# Altium PCB 测试板1.PcbDoc
Units mm, origin at the board's own origin, x right, y up, seen from the top; angles counter-clockwise.
Board outline 60 x 100 mm, 2 copper layers (Top Layer, Bottom Layer); 47 components, 129 nets, 347 pads, 90 vias.
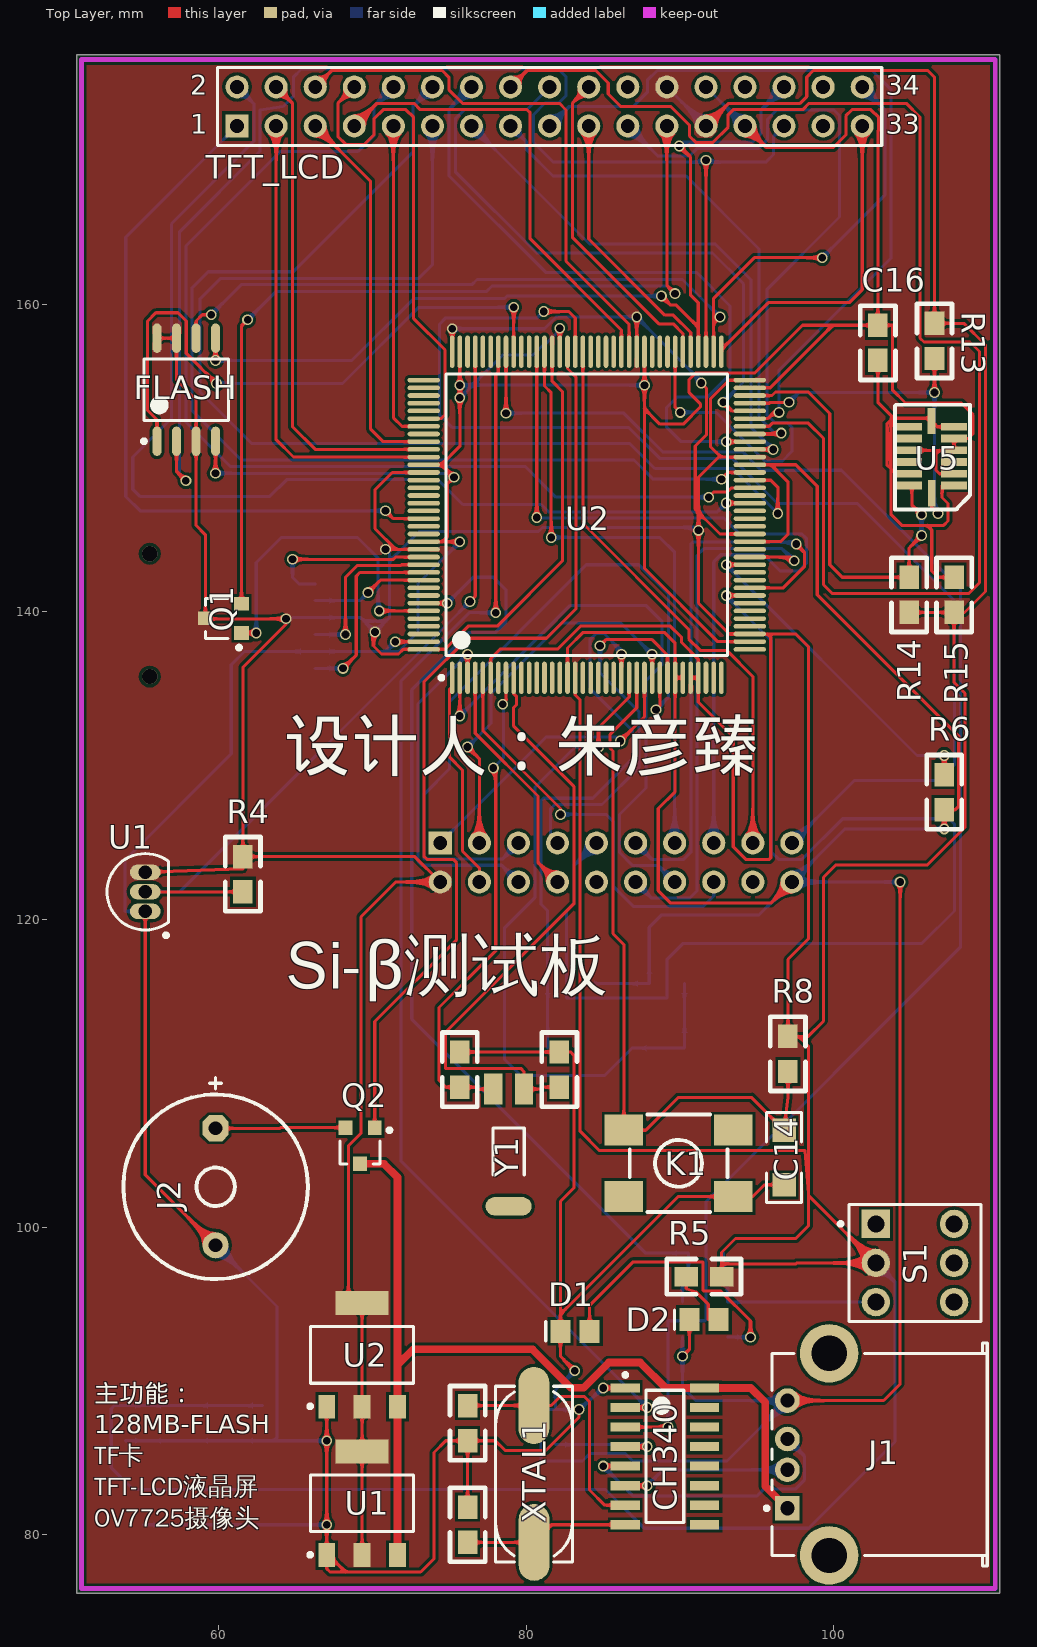
[diagram p0: Top Layer view]
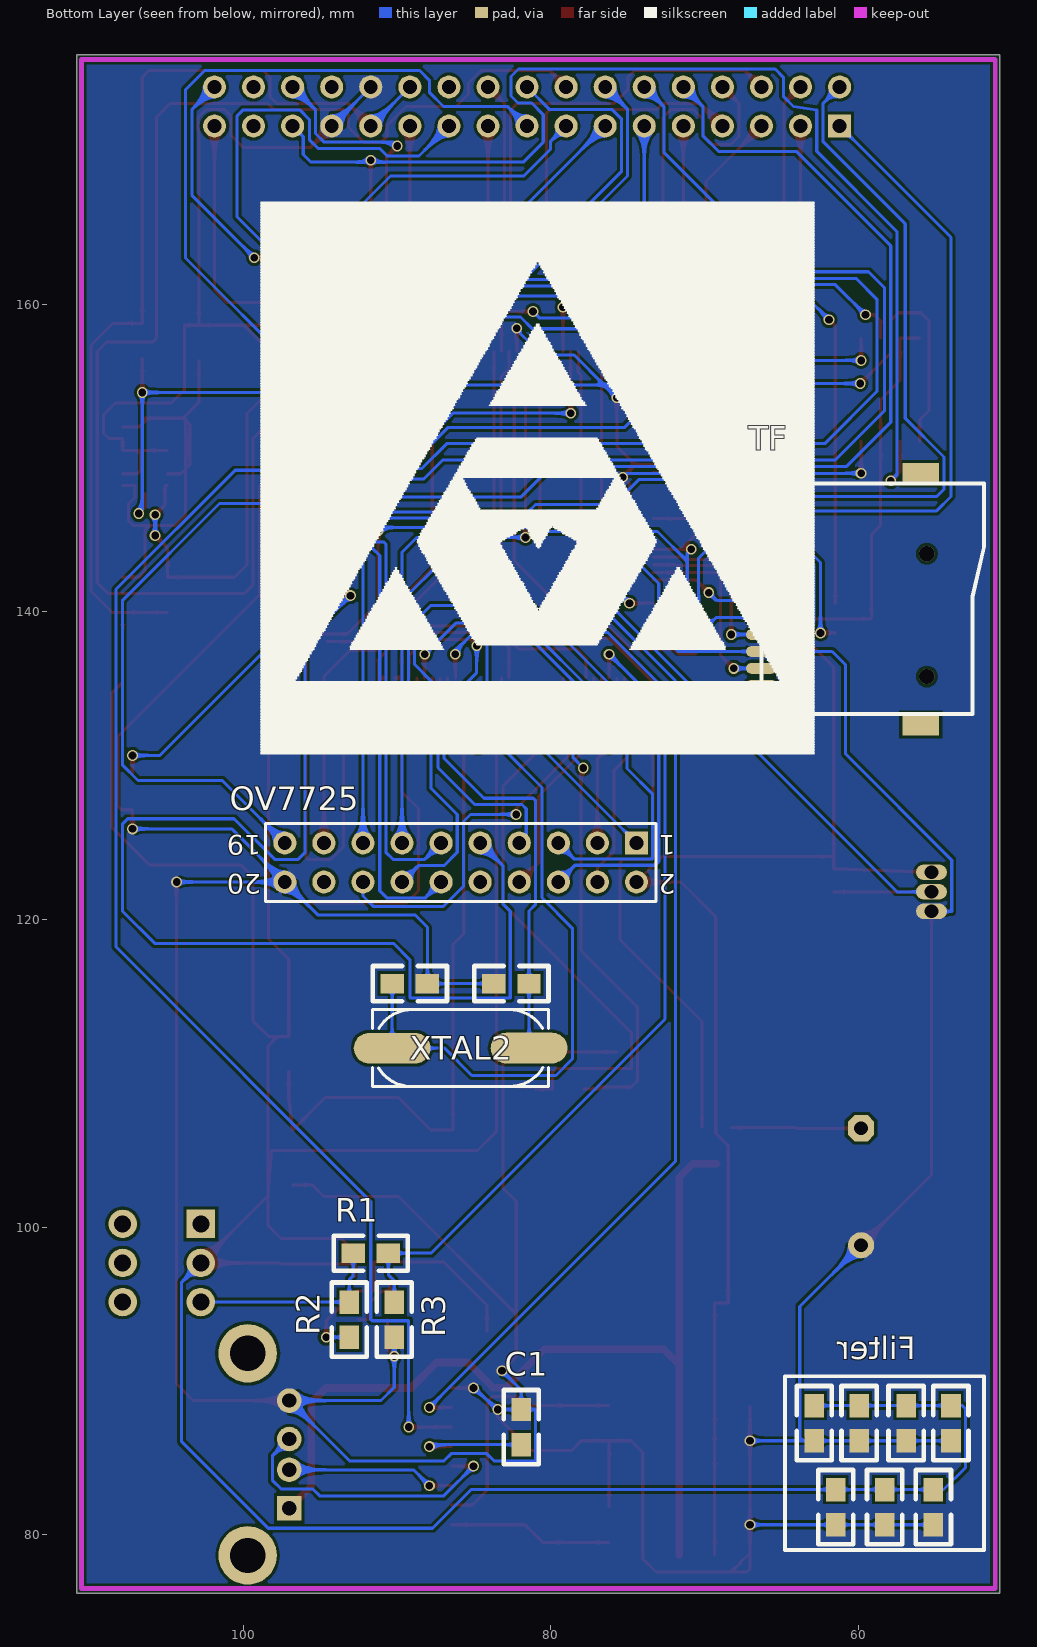
[diagram p1: Bottom Layer view, seen from below]

## Layer stack, top to bottom
Top Solder: solder mask 0.0102, Solder Resist, Dk 3.5
Top Layer: signal copper 0.0356
Dielectric 1: dielectric 0.32, FR-4, Dk 4.8
Bottom Layer: signal copper 0.0356
Bottom Solder: solder mask 0.0102, Solder Resist, Dk 3.5

## Board outline
50.8,76.2 110.8,76.2 110.8,176.2 50.8,176.2

## Design rules (kind name [scope] priority, off if disabled: settings)
Clearance [All] p1: gap=0.2
PolygonConnect [All] p1: connectstyle=Direct reliefconductorwidth=0.254 reliefentries=4 polygonreliefangle="45 Angle" airgapwidth=0.254
RoutingVias [All] p1: holewidth=0.5 width=0.7 viastyle="Through Hole" minholewidth=0.3 minwidth=0.5 maxholewidth=1.27 maxwidth=1.27
SolderMaskExpansion [All] p1: expansion=0.102
Width [All] p1: maxlimit=1.2 minlimit=0.2 preferedwidth=0.2
30 further rules are at their usual default settings.

## Classes and differential pairs
net class "NO POWER": ANALOG0 ANALOG1 ANALOG2 ANALOG3 ANALOG4 ANALOG5 ANALOG6 ANALOG7 ANALOG8 BEEP_OE BOOT0 CAMERA_D0 CAMERA_D1 CAMERA_D2 CAMERA_D3 CAMERA_D4 CAMERA_D5 CAMERA_D6 CAMERA_D7 CAMERA_OE CAMERA_RCLK CAMERA_RRST CAMERA_SCL CAMERA_SDA CAMERA_VSYNC CAMERA_WEN CAMERA_WRST DAC1 DS18B20_DATA FLASH_CS FSMC_A0 FSMC_A1 FSMC_A2 FSMC_A3 FSMC_A4 FSMC_A5 FSMC_A6 FSMC_A7 FSMC_A8 FSMC_A9 FSMC_A10 FSMC_A11 FSMC_A12 FSMC_A13 FSMC_A14 FSMC_A15 FSMC_A16 FSMC_A17 FSMC_A18 FSMC_CLK FSMC_D0 FSMC_D1 FSMC_D2 FSMC_D3 FSMC_D4 FSMC_D5 FSMC_D6 FSMC_D7 FSMC_D8 FSMC_D9 FSMC_D10 FSMC_D11 FSMC_D12 FSMC_D13 FSMC_D14 FSMC_D15 FSMC_NBL0 FSMC_NBL1 FSMC_NCE4 FSMC_NE4 FSMC_NOE FSMC_NWE GPIO_OUT_0 GPIO_OUT_1 GPIO_OUT_2 GPIO_OUT_3 GPIO_OUT_4 GPIO_OUT_5 GPIO_OUT_6 GPIO_OUT_7 GPIO_OUT_8 GPIO_OUT_9 GPIO_OUT_10 IIC1_SCL IIC1_SDA IIC2_SCL IIC2_SDA LCD_BK LCD_LED NetC1_1 NetC16_2 NetCH340_5 NetCH340_6 NetD1_1 NetD2_1 NetJ2_1 NetR1_1 NetR6_2 NRST OSC32_IN OSC32_OUT OSC_IN OSC_OUT PWM1 PWM2 SPI1_CSK SPI1_MISO SPI1_MOSI SPI2_MISO SPI2_MOSI SPI2_SCK TF_CS TF_MISO TF_MOSI TF_SCK TOUCH_CS USART1_RXD USART1_TXD USART2_RXD USART2_TXD USART3_RXD USART3_TXD USBDM USBDP VCC XI XO
component class 测试板1: C1 C14 C16 CH340 D1 D2 FLASH J1 J2 K1 OV7725 Q1 Q2 R1 R2 R3 R4 R5 R6 R8 R13 R14 R15 S1 TF TFT_LCD U1 U2 U5 XTAL1 XTAL2 Y1

## Components (designator, comment, footprint, x,y, rotation, side; value= is the part's Value field where it differs from the comment)
C1 "Cap" 0805 81.915,85.852 r90 bottom
C2 "CAP" 0805 76.2,86.106 r90 top
C3 "CAP" 0805 76.2,81.788 r270 top
C4 "Cap" 0805 53.975,86.106 r90 bottom
C5 "Cap" 0805 56.896,86.106 r90 bottom
C6 "Cap" 0805 59.944,86.106 r90 bottom
C7 "Cap" 0805 62.865,86.106 r90 bottom
C8 "Cap" 0805 55.118,80.645 r90 bottom
C9 "Cap" 0805 58.293,80.645 r90 bottom
C10 "Cap" 0805 61.468,80.645 r90 bottom
C11 "CAP" 0805 75.692,111.379 r270 top
C12 "CAP" 0805 82.169,111.379 r270 top
C13 "CAP" 0805 83.693,115.824 r180 bottom
C14 "Cap" 1206 96.774,104.521 r90 top
C15 "CAP" 0805 88.011,115.824 r0 bottom
C16 "Cap" 0805 102.87,158.623 r270 top
CH340 "Component_1" SOIC127P600X170-16N 89.027,85.09 r0 top
D1 "LED0" LED-0805 83.185,93.218 r180 top
D2 "LED0" LED-0805 91.567,93.98 r180 top
FLASH "W25Q64" 8S2_L 57.912,154.432 r90 top
J1 "USB" USB_A1 109.982,85.217 r0 top
J2 "BEEP-S" BEEP-S 59.817,102.616 r270 top
K1 "button" SW_PB4_A1 89.916,104.14 r180 top
OV7725 "OV7725摄像头" HDR2X10 74.422,124.968 r0 bottom
Q1 "NPN" SOT23-3 60.325,139.573 r90 top
Q2 "NPN" SOT23-3 69.215,105.283 r180 top
R1 "Res2" 0805 92.837,98.298 r180 bottom
R2 "Res2" 0805 90.17,92.837 r90 bottom
R3 "Res2" 0805 93.091,92.837 r90 bottom
R4 "Res2" 0805 61.595,124.079 r270 top
R5 "Res2" 0805 92.71,96.774 r180 top
R6 "Res2" 0805 107.188,127.127 r90 top
R8 "RES" 0805 97.028,110.109 r90 top
R13 "Res2" 0805 106.553,158.75 r270 top
R14 "Res2" 0805 104.902,139.954 r90 top
R15 "Res2" 0805 107.823,142.24 r270 top
S1 "单刀开关" SWITCH_B1 105.283,97.663 r0 top
TF "TF CARD" TFP09-2-12B 66.04,140.716 r90 bottom
TFT_LCD "Component_1" HDR2X17 61.214,171.577 r0 top
U1 "DS18B20" TO-92A 55.245,121.793 r0 top
U1 "ASM1117" SOT223 69.342,82.042 r0 top (schematic designator U3)
U2 "STM32F103ZET6" TQFP-144 83.947,146.304 r90 top
U2 "ASM1117" SOT223 69.342,91.694 r0 top (schematic designator U4)
U5 "ADXL345" PCBComponent_1 106.553,152.908 r180 top
XTAL1 "CRYSTAL" X-SM49 80.518,83.947 r270 top
XTAL2 "CRYSTAL" X-SM49 85.852,111.633 r0 bottom
Y1 "32K晶振" X-TC15 78.867,108.966 r0 top

## Footprints (in the part's own frame and the unit in brackets; to place one, negate y for a bottom-side part, rotate by r counter-clockwise, add the part's x,y. Pads: shape width x height; smd on the part's side, far side on the other; paste and mask are expansions set on the pad)
8S2_L [mm] "8-Pin Small Outline Package 1.27 mm Pitch, IPC High Density"
  oval 1.9x0.6 smd: 1(-3.35,1.905) 2(-3.35,0.635) 3(-3.35,-0.635) 4(-3.35,-1.905) 5(3.35,-1.905) 6(3.35,-0.635) 7(3.35,0.635) 8(3.35,1.905)
  silkscreen extent -3.47,-2.75 2,2.88, body extent -2.73,-2.75 2.73,2.75, height 2.03
0805 [mil]
  rect 60x50 smd: 1(0,0) 2(90,0)
  silkscreen extent -50,-45 140,45
1206 [mil] "贴片元件"
  rect 60x60 smd: 1(-70,0) 2(70,0)
  silkscreen extent -115,-45 115,45, body extent -75,-35 75,35, height 39
BEEP-S [mm] "有源蜂鸣器"
  oct 1.7x1.7 hole 0.9: 1(-3.8,0)
  round 1.7 hole 0.9: 2(3.8,0)
  silkscreen extent -7.11,-6 6,6
HDR2X10 [mm] "Connector; Header; 10x2 Position"
  rect 1.5x1.5 hole 0.9: 1(0,0)
  round 1.5 hole 0.9: 2(0,2.54) 3(2.54,0) 4(2.54,2.54) 5(5.08,0) 6(5.08,2.54) 7(7.62,0) 8(7.62,2.54) 9(10.16,0) 10(10.16,2.54) 11(12.7,0) 12(12.7,2.54) 13(15.24,0) 14(15.24,2.54) 15(17.78,0) 16(17.78,2.54) 17(20.32,0) 18(20.32,2.54) 19(22.86,0) 20(22.86,2.54)
  silkscreen extent -1.27,-1.27 24.13,3.81
HDR2X17 [mm] "Connector; Header; 17x2 Position"
  rect 1.5x1.5 hole 0.9: 1(0,0)
  round 1.5 hole 0.9: 2(0,2.54) 3(2.54,0) 4(2.54,2.54) 5(5.08,0) 6(5.08,2.54) 7(7.62,0) 8(7.62,2.54) 9(10.16,0) 10(10.16,2.54) 11(12.7,0) 12(12.7,2.54) 13(15.24,0) 14(15.24,2.54) 15(17.78,0) 16(17.78,2.54) 17(20.32,0) 18(20.32,2.54) 19(22.86,0) 20(22.86,2.54) 21(25.4,0) 22(25.4,2.54) 23(27.94,0) 24(27.94,2.54) 25(30.48,0) 26(30.48,2.54) 27(33.02,0) 28(33.02,2.54) 29(35.56,0) 30(35.56,2.54) 31(38.1,0) 32(38.1,2.54) 33(40.64,0) 34(40.64,2.54)
  silkscreen extent -1.27,-1.27 41.91,3.81
LED-0805 [mm] "贴片LED"
  rect 1.3x1.5 smd: 1(-0.95,0) 2(0.95,0)
  silkscreen extent 1.91,-0.63 1.91,0.64
PCBComponent_1 [mm]
  rect 1.7x0.5 smd: 1(-1.27,4.699) 2(-1.27,3.937) 3(-1.27,3.175) 4(-1.27,2.413) 5(-1.27,1.651) 6(-1.27,0.889) 8(1.651,0.889) 9(1.651,1.651) 10(1.651,2.413) 11(1.651,3.175) 12(1.651,3.937) 13(1.651,4.699)
  rect 0.5x1.7 smd: 7(0.195,0.518) 14(0.176,5.21)
  silkscreen extent -2.31,-0.55 2.57,6.26
SOIC127P600X170-16N [mm] "SOIC, 16-Leads, Body 8.6x4.0mm (max), Pitch 1.27mm, IPC Medium Density"
  rect 1.9x0.6 smd: 1(-2.575,4.445) 2(-2.575,3.175) 3(-2.575,1.905) 4(-2.575,0.635) 5(-2.575,-0.635) 6(-2.575,-1.905) 7(-2.575,-3.175) 8(-2.575,-4.445) 9(2.575,-4.445) 10(2.575,-3.175) 11(2.575,-1.905) 12(2.575,-0.635) 13(2.575,0.635) 14(2.575,1.905) 15(2.575,3.175) 16(2.575,4.445)
  silkscreen extent -2.7,-4.3 1.22,5.42, body extent -1.98,-4.28 1.97,4.28, height 1.7
SOT23-3 [mm]
  rect 0.9x0.95 smd: 1(-0.95,-1.175) 2(0.95,-1.175) 3(0,1.175)
  silkscreen extent -2.03,-1.14 1.3,1.18, body extent -1.45,-1.4 1.45,1.4, height 1.2
SOT223 [mm]
  rect 1.1x1.55 smd: 1(-2.3,-3.375) 2(0,-3.375) 3(2.3,-3.375)
  rect 3.45x1.55 smd: 4(0,3.375)
  silkscreen extent -3.5,-3.48 3.35,1.85, body extent -3.25,-3.48 3.25,3.48, height 1.7
SW_PB4_A1 [mm]
  rect 2.5x2 smd: 1(-3.556,2.159) 2(-3.556,-2.159) 3(3.556,-2.159) 4(3.556,2.159)
  silkscreen extent -3.17,-3.18 3.17,3.18, body extent -3.18,-3.18 3.18,3.18, height 6
SWITCH_B1 [mm] "单刀"
  rect 1.85x1.85 hole 1.1: 1(-2.54,2.54)
  round 1.85 hole 1.1: 2(-2.54,0) 3(-2.54,-2.54) 4(2.54,-2.54) 5(2.54,0) 6(2.54,2.54)
  silkscreen extent -4.96,-3.81 4.28,3.81
TFP09-2-12B [mm]
  oval 0.7x2 smd: 1(2.2,0.254) 2(1.1,0.254) 3(0,0.254) 4(-1.1,0.254) 5(-2.2,0.254) 6(-3.3,0.254) 7(-4.4,0.254) 8(-5.5,0.254) 9(-6.6,0.254)
  rect 1.4x1.6 smd: 10(6.85,-0.5) 11(-8.054,-0.5)
  rect 1.4x2.4 smd: 12(8.258,-10.1) 13(-8.054,-10.1)
  silkscreen extent -7.37,-14.22 7.62,0.25
TO-92A [mm] "TO, Flat Index; 3 In-Line, Axial Leads; Body Dia. 4.5mm; Leads 0.51 x 0.48 mm (max)"
  oval 2x1 hole 0.9: 1(0,-1.27) 2(0,0) 3(0,1.27)
  silkscreen extent -2.48,-2.95 1.5,2.48, body extent -2.5,-2.5 1.5,2.5, height 6.86
TQFP-144 [mm] "TTM32V103ZET6"
  oval 2.1x0.3 smd: 1(-10.6,8.75) 2(-10.6,8.25) 3(-10.6,7.75) 4(-10.6,7.25) 5(-10.6,6.75) 6(-10.6,6.25) 7(-10.6,5.75) 8(-10.6,5.25) 9(-10.6,4.75) 10(-10.6,4.25) 11(-10.6,3.75) 12(-10.6,3.25) 13(-10.6,2.75) 14(-10.6,2.25) 15(-10.6,1.75) 16(-10.6,1.25) 17(-10.6,0.75) 18(-10.6,0.25) 19(-10.6,-0.25) 20(-10.6,-0.75) 21(-10.6,-1.25) 22(-10.6,-1.75) 23(-10.6,-2.25) 24(-10.6,-2.75) 25(-10.6,-3.25) 26(-10.6,-3.75) 27(-10.6,-4.25) 28(-10.6,-4.75) 29(-10.6,-5.25) 30(-10.6,-5.75) 31(-10.6,-6.25) 32(-10.6,-6.75) 33(-10.6,-7.25) 34(-10.6,-7.75) 35(-10.6,-8.25) 36(-10.6,-8.75) 73(10.6,-8.75) 74(10.6,-8.25) 75(10.6,-7.75) 76(10.6,-7.25) 77(10.6,-6.75) 78(10.6,-6.25) 79(10.6,-5.75) 80(10.6,-5.25) 81(10.6,-4.75) 82(10.6,-4.25) 83(10.6,-3.75) 84(10.6,-3.25) 85(10.6,-2.75) 86(10.6,-2.25) 87(10.6,-1.75) 88(10.6,-1.25) 89(10.6,-0.75) 90(10.6,-0.25) 91(10.6,0.25) 92(10.6,0.75) 93(10.6,1.25) 94(10.6,1.75) 95(10.6,2.25) 96(10.6,2.75) 97(10.6,3.25) 98(10.6,3.75) 99(10.6,4.25) 100(10.6,4.75) 101(10.6,5.25) 102(10.6,5.75) 103(10.6,6.25) 104(10.6,6.75) 105(10.6,7.25) 106(10.6,7.75) 107(10.6,8.25) 108(10.6,8.75)
  oval 0.3x2.1 smd: 37(-8.75,-10.6) 38(-8.25,-10.6) 39(-7.75,-10.6) 40(-7.25,-10.6) 41(-6.75,-10.6) 42(-6.25,-10.6) 43(-5.75,-10.6) 44(-5.25,-10.6) 45(-4.75,-10.6) 46(-4.25,-10.6) 47(-3.75,-10.6) 48(-3.25,-10.6) 49(-2.75,-10.6) 50(-2.25,-10.6) 51(-1.75,-10.6) 52(-1.25,-10.6) 53(-0.75,-10.6) 54(-0.25,-10.6) 55(0.25,-10.6) 56(0.75,-10.6) 57(1.25,-10.6) 58(1.75,-10.6) 59(2.25,-10.6) 60(2.75,-10.6) 61(3.25,-10.6) 62(3.75,-10.6) 63(4.25,-10.6) 64(4.75,-10.6) 65(5.25,-10.6) 66(5.75,-10.6) 67(6.25,-10.6) 68(6.75,-10.6) 69(7.25,-10.6) 70(7.75,-10.6) 71(8.25,-10.6) 72(8.75,-10.6) 109(8.75,10.6) 110(8.25,10.6) 111(7.75,10.6) 112(7.25,10.6) 113(6.75,10.6) 114(6.25,10.6) 115(5.75,10.6) 116(5.25,10.6) 117(4.75,10.6) 118(4.25,10.6) 119(3.75,10.6) 120(3.25,10.6) 121(2.75,10.6) 122(2.25,10.6) 123(1.75,10.6) 124(1.25,10.6) 125(0.75,10.6) 126(0.25,10.6) 127(-0.25,10.6) 128(-0.75,10.6) 129(-1.25,10.6) 130(-1.75,10.6) 131(-2.25,10.6) 132(-2.75,10.6) 133(-3.25,10.6) 134(-3.75,10.6) 135(-4.25,10.6) 136(-4.75,10.6) 137(-5.25,10.6) 138(-5.75,10.6) 139(-6.25,10.6) 140(-6.75,10.6) 141(-7.25,10.6) 142(-7.75,10.6) 143(-8.25,10.6) 144(-8.75,10.6)
  silkscreen extent -10.72,-9.15 9.15,9.57, body extent -10,-10 10,10, height 1.6
USB_A1 [mm]
  rect 1.6x1.6 hole 0.92: 1(-12.99,-3.5)
  round 1.6 hole 0.92: 2(-12.99,-1) 3(-12.99,1) 4(-12.99,3.5)
  round 3.8 hole 2.3: 5(-10.28,6.57) 6(-10.28,-6.57)
  silkscreen extent -14.46,-7.25 0,7.25, body extent -14.16,-7.9 0,7.9, height 7.55
X-SM49 [mm]
  oval 5x2 smd: 1(4.45,0.004) 2(-4.45,-0.004)
  silkscreen extent -5.7,-2.5 5.72,2.5, body extent -6.7,-2.46 6.7,2.44, height 4
X-TC15 [mm] "圆柱晶振1"
  rect 1.2x2 smd: 1(-1,0) 2(1,0)
  oval 3x1.2 smd: 3(0,-7.62)
  silkscreen extent -1.02,-5.59 1.02,-2.54, body extent -1,-8.29 1,0, height 1.99

## Part data
C1 C4 C5 C6 C7 C8 C9 C10 C14 C16: "Capacitor"
D1 D2: "发光二极管"
J1: "USB接口"
J2: "有源蜂鸣器"
Q1 Q2: library part NPN1, "贴片三极管"
R1 R2 R3 R4 R5 R6 R13 R14 R15: "Resistor"
U1: "温度传感器"
U1 U2: "3.3V稳压芯片"

## Via types
v1: diameter 0.7, hole 0.5, Top Layer to Bottom Layer, 88 vias
v2: diameter 1, hole 1, Top Layer to Bottom Layer, 2 vias

## Nets (pads, with @x,y where several pads share a name; then routed paths per layer and width w, separated by ;. In a path a pad name is that pad's centre, name@x,y a point inside that pad or via, vN(x,y) a via of type N, cw(c..) or ccw(c..) an arc to the next point about the centre after c; other vN are vias at no path point)
3.3V: C4.2 C5.2 C6.2 C7.2 C8.2 C9.2 C10.2 FLASH.3 FLASH.7 FLASH.8 OV7725.2 Q1.3 R4.1 R5.1 R8.2 R13.1 R14.1 R15.2 S1.2 TF.4 TFT_LCD.24 TFT_LCD.25 U1.2@69.342,78.667 U1.3@55.245,123.063 U1.4 U2.2@69.342,88.319 U2.4@69.342,95.069 U2.6 U2.17 U2.32 U2.33 U2.39 U2.52 U2.62 U2.72 U2.84 U2.95 U2.108 U2.121 U2.131 U2.144 | length 588.1
  Top Layer w0.2: U1.3@55.245,123.063 61.595,123.292 R4.1 ; FLASH.8 FLASH.7 57.277,155.067 58.547,153.797 FLASH.3 58.547,145.612 59.15,145.009 Q1.3@59.15,139.624 ; Q1.3 Q1.3@59.15,139.624 ; U1.2@69.342,78.667 U1.4 69.342,88.319 69.342,95.069 68.453,95.069 68.453,105.283 69.266,106.096 69.266,120.167 71.526,122.428 OV7725.2 72.771,124.079 R4.1 ; v1(70.18,138.684) 70.079,138.684 70.079,137.77 70.599,137.249 71.709,137.249 72.014,137.554 U2.144 74.727,137.554 76.238,139.065 78.128,139.065 82.37,143.307 82.37,154.301 81.697,154.974 U2.95 ; v1(70.866,144.069) 70.881,144.054 71.526,144.054 ; U2.131 71.526,144.054 ; U2.121 71.305,149.054 70.18,147.93 70.18,145.4 71.526,144.054 ; U2.108 v1(75.197,158.394) ; U2.6 77.697,136.957 78.307,137.566 82.042,137.566 83.534,139.059 89.383,139.059 90.119,138.322 90.119,137.998 91.197,136.92 U2.33 ; U2.17 83.197,134.583 83.515,134.264 83.515,106.223 84.76,104.978 98.146,104.978 98.363,102.176 ; U2.84 v1(87.197,159.156) ; U2.32 U2.33 ; v1(91.389,154.864) 91.728,154.525 91.728,151.502 90.998,150.773 90.998,146.669 91.211,146.456 ; TFT_LCD.25 93.167,173.05 97.815,173.05 98.247,173.482 98.247,174.752 98.679,175.184 106.121,175.184 106.553,174.752 R13.1 108.458,158.75 109.874,157.334 109.874,141.319 108.509,139.954 R15.2 ; R5.1 92.71,97.601 ; U2.52 92.614,145.054 91.211,146.456 ; U2.62 92.659,150.054 ; U2.72 93.193,155.054 91.999,153.86 91.999,150.714 92.659,150.054 ; R14.1 R15.2 ; Q1.3@59.15,139.624 59.238,139.536 v1(64.389,139.536) 64.389,139.184 61.595,136.39 R4.1 ; U2.33 91.197,134.126 93.472,131.851 93.472,124.714 94.285,123.901 95.809,123.901 95.91,124.003 95.91,138.351 95.707,138.554 ; 91.211,146.456 91.211,148.742 92.523,150.054 92.659,150.054 ; 91.211,146.456 v1(91.211,145.288) 91.211,140.561 93.218,138.554 U2.39 95.707,138.554 ; 92.71,97.601 92.71,98.349 93.616,99.255 97.536,99.255 98.363,100.082 98.363,102.176 ; 92.71,97.601 97.536,97.601 97.598,97.663 S1.2 98.374,102.032 98.363,102.176 ; 95.707,138.554 97.536,138.554 98.349,137.741 98.349,118.72 97.028,117.399 R8.2 97.739,112.395 ; 97.739,112.395 98.349,112.395 99.339,113.386 99.339,122.733 100.152,123.546 106.096,123.546 108.534,125.984 108.534,134.696 107.823,135.407 R15.2 ; 97.739,112.395 98.363,111.771 98.363,102.176
  Bottom Layer w0.2: C7.2 C6.2 C5.2 C4.2 53.238,88.392 53.035,88.189 53.035,84.353 54.458,82.931 C8.2 C9.2 C10.2 85.166,82.931 87.681,80.416 98.36,80.416 103.988,86.044 103.988,96.418 S1.2 ; v1(70.866,144.069) 71.12,143.815 71.12,143.281 ; v1(75.197,158.394) 81.203,158.394 81.965,159.156 v1(87.197,159.156) 91.389,154.964 v1(91.389,154.864) ; TFT_LCD.24 TFT_LCD.25 ; v1(91.211,145.288) 91.019,145.481 81.066,145.481 80.797,145.212 73.05,145.212 71.12,143.281 ; 64.748,139.536 v1(64.389,139.536) 64.748,139.536 ; 64.748,139.536 64.829,139.616 ; 64.748,139.536 64.829,139.616 ; 64.829,139.616 TF.4 69.248,139.616 69.469,139.395 ; 69.469,139.395 70.892,139.395 ; 69.469,139.395 v1(70.18,138.684) 70.892,139.395 ; 70.892,139.395 70.917,139.395 71.12,139.598 71.12,139.624 ; 70.892,139.395 71.12,139.624 ; 71.12,139.624 71.12,143.281
  other v1: 64.389,139.536
ANALOG0: U2.18
ANALOG1: U2.19
ANALOG2: U2.20
ANALOG3: U2.21
ANALOG4: U2.22
ANALOG5: U2.34
ANALOG6: U2.35
ANALOG7: U2.46
ANALOG8: U2.47
BEEP_OE: Q2.1 U2.93 | length 61.9
  Top Layer w0.2: Q2.1 70.165,113.36 75.489,118.684 75.489,123.673 75.26,123.901 73.558,123.901 73.355,124.104 73.355,135.433 76.2,138.278 81.331,138.278 83.236,140.183 83.236,155.27 82.697,155.809 U2.93
BOOT0: R1.2 R2.2 U2.138 | length 65.5
  Top Layer w0.2: U2.138 v1(74.879,140.554)
  Bottom Layer w0.2: v1(74.879,140.554) 76.565,142.24 77.876,142.24 78.689,141.427 78.689,139.319 78.029,138.659 76.302,138.659 72.568,134.925 72.568,113.513 87.782,98.298 R1.2 90.551,96.901 90.17,96.52 R2.2
CAMERA_D0: OV7725.1 U2.26 | length 19.4
  Top Layer w0.2: v1(86.118,131.597) 87.697,133.177 U2.26
  Bottom Layer w0.2: OV7725.1 81.305,131.851 85.864,131.851 v1(86.118,131.597)
CAMERA_D1: OV7725.3 U2.27 | length 25.4
  Top Layer w0.2: v1(76.195,131.212) 76.962,130.445 OV7725.3 ; v1(88.189,137.236) 88.197,137.228 U2.27
  Bottom Layer w0.2: v1(76.195,131.212) 77.718,132.734 77.718,134.673 82.303,139.258 86.167,139.258 v1(88.189,137.236)
CAMERA_D2: OV7725.5 U2.28 | length 46.2
  Top Layer w0.2: v1(88.443,133.629) 88.697,133.884 U2.28
  Bottom Layer w0.2: OV7725.5 78.452,123.918 73.372,123.918 73.372,128.143 75.032,129.803 75.032,134.163 83.922,143.053 87.317,143.053 89.256,141.114 89.256,134.442 v1(88.443,133.629)
CAMERA_D3: OV7725.7 U2.29 | length 24.7
  Top Layer w0.2: v1(84.811,137.795) 85.217,138.201 88.168,138.201 89.197,137.172 U2.29
  Bottom Layer w0.2: OV7725.7 81.585,125.425 81.585,127.193 81.864,127.472 84.938,127.472 87.329,129.864 87.329,133.519 84.811,136.037 v1(84.811,137.795)
CAMERA_D4: OV7725.9 U2.44 | length 78.3
  Top Layer w0.2: v1(93.015,141.046) 93.023,141.054 U2.44
  Bottom Layer w0.2: OV7725.9 83.109,123.495 83.109,121.006 82.626,120.523 82.626,114.884 89.154,114.884 89.154,117.373 90.221,118.44 105.74,118.44 107.848,120.548 107.848,126.187 107.493,126.543 100.584,126.543 97.942,123.901 96.418,123.901 95.961,124.358 95.961,138.1 v1(93.015,141.046)
CAMERA_D5: OV7725.11 U2.45 | length 37
  Top Layer w0.2: U2.45 96.723,141.554 98.095,142.926 98.095,143.866 v1(97.561,144.399)
  Bottom Layer w0.2: OV7725.11 88.189,123.901 90.255,123.901 90.712,124.358 90.712,144.408 90.83,144.526 97.434,144.526 v1(97.561,144.399)
CAMERA_D6: OV7725.13 U2.96 | length 39.6
  Top Layer w0.2: U2.96 81.197,154.676 81.636,154.238 v1(81.636,144.831)
  Bottom Layer w0.2: v1(81.636,144.831) 88.697,144.831 89.662,143.866 OV7725.13
CAMERA_D7: OV7725.15 U2.97 | length 55.6
  Top Layer w0.2: v1(80.697,146.126) U2.97
  Bottom Layer w0.2: v1(80.697,146.126) 80.733,146.09 92.852,146.09 93.892,145.05 97.942,145.05 98.224,144.768 98.224,143.142 97.739,142.657 96.51,142.657 95.464,143.703 92.659,143.703 92.202,143.246 OV7725.15
CAMERA_OE: OV7725.4 U2.1@75.197,135.704 | length 14.1
  Top Layer w0.2: U2.1@75.197,135.704 75.197,135.128 75.032,134.963 75.032,130.541 75.872,129.701 75.872,124.434 76.962,123.344 OV7725.4
CAMERA_RCLK: OV7725.8 U2.4@76.697,135.704 | length 15.5
  Top Layer w0.2: U2.4@76.697,135.704 76.697,132.091 80.772,128.016 80.772,123.698 OV7725.8
CAMERA_RRST: OV7725.6 U2.3@76.197,135.704 | length 23.4
  Top Layer w0.2: U2.3@76.197,135.704 76.197,137.233 v1(76.2,137.236)
  Bottom Layer w0.2: v1(76.2,137.236) 72.972,134.008 72.972,123.749 73.203,123.518 78.412,123.518 OV7725.6
CAMERA_SCL: OV7725.17 U2.91 | length 37.5
  Top Layer w0.2: U2.91 83.697,145.733 90.586,138.844 90.586,138.217 91.315,137.488 93.042,137.488 94.742,135.788 OV7725.17
CAMERA_SDA: OV7725.19 U2.92 | length 79.2
  Top Layer w0.2: v1(81.147,159.512) 82.779,159.512 83.197,159.094 U2.92
  Bottom Layer w0.2: v1(81.147,159.512) 80.741,159.106 74.778,159.106 74.371,158.699 74.371,152.806 75.209,151.968 86.69,151.968 88.687,149.971 93.412,149.971 96.353,147.03 101.534,147.03 107.848,140.716 107.848,130.048 106.832,129.032 101.346,129.032 OV7725.19
CAMERA_VSYNC: OV7725.12 U2.49 | length 36.2
  Top Layer w0.2: U2.49 97.187,143.554 v1(97.434,143.307)
  Bottom Layer w0.2: OV7725.12 88.172,121.378 90.627,121.378 91.112,121.863 91.112,143.653 91.562,144.103 96.638,144.103 v1(97.434,143.307)
CAMERA_WEN: OV7725.16 U2.5 | length 27.1
  Top Layer w0.2: U2.5 77.197,132.258 82.245,127.21 v1(82.245,126.822)
  Bottom Layer w0.2: v1(82.245,126.822) 85.217,126.822 85.672,126.367 85.672,122.143 86.97,120.845 91.533,120.845 92.202,121.514 OV7725.16
CAMERA_WRST: OV7725.14 U2.2@75.697,135.704 | length 39.6
  Top Layer w0.2: v1(75.692,133.223) 75.697,133.228 U2.2@75.697,135.704
  Bottom Layer w0.2: v1(75.692,133.223) 82.88,140.411 87.782,140.411 88.849,139.344 88.849,136.576 87.793,135.519 87.793,128.543 86.072,126.822 86.072,124.358 86.936,123.495 88.595,123.495 OV7725.14
DAC1: U2.40
DGND: C1.2 C2.1 C3.1 C4.1 C5.1 C6.1 C7.1 C8.1 C9.1 C10.1 C11.1 C12.1 C13.1 C14.1 C15.1 C16.1 CH340.1 D1.2 D2.2 FLASH.4 J1.4 J2.2 K1.1 OV7725.20 R2.1 R6.1 TF.6 TFT_LCD.26 TFT_LCD.27 U1.1 U2.1@67.042,88.319 U2.16 U2.30 U2.31 U2.38 U2.51 U2.61 U2.71 U2.83 U2.94 U2.107 U2.120 U2.130 U2.143 U5.2 U5.4 U5.5 U5.10 | length 546.9
  Top Layer w0.2: U1.1@55.245,120.523 55.245,103.388 J2.2 ; v1(59.817,148.996) FLASH.4 ; U2.1@67.042,88.319 v1(67.042,86.106) v1(67.042,80.645) U1.1@67.042,78.805 ; v1(71.504,138.054) U2.143 ; U2.130 74.574,144.554 ; U2.120 74.499,149.554 ; C11.1 C12.1 82.906,111.379 83.109,111.176 83.109,102.54 82.235,101.666 82.235,94.325 ; v1(75.692,144.551) 75.689,144.554 74.574,144.554 ; U2.107 v1(75.697,154.727) v1(75.697,153.914) 75.697,150.752 74.499,149.554 ; C3.1 C2.1 ; U2.94 v1(82.197,158.431) ; U2.16 82.697,137.637 83.718,138.659 88.993,138.659 89.697,137.955 U2.30 ; v1(83.165,90.658) 82.235,91.588 D1.2 82.235,94.325 ; v1(83.445,88.138) 83.445,87.636 81.28,85.471 78.638,85.471 78.003,86.106 C2.1 ; v1(85.014,89.535) CH340.1 ; U2.83 v1(87.697,154.727) 87.697,153.197 ; v1(90.17,91.592) 90.617,92.039 D2.2 ; U2.31 U2.30 ; TFT_LCD.27 95.631,170.18 99.974,170.18 100.787,170.993 100.787,172.237 101.194,172.644 102.413,172.644 102.921,172.136 102.921,171.298 102.87,171.247 C16.1 ; U2.38 92.461,138.054 87.697,142.818 87.697,153.197 ; U2.51 96.543,144.554 97.039,145.05 97.039,148.425 95.91,149.554 ; U2.61 95.91,149.554 ; U2.71 95.88,154.554 99.949,158.623 ; C14.1 95.504,102.743 94.742,101.981 K1.1 89.891,101.981 82.235,94.325 ; J1.4 103.246,88.717 104.318,89.789 v1(104.318,122.428) ; OV7725.20 95.91,121.056 89.408,121.056 88.595,121.869 88.595,127.203 89.697,128.305 U2.30 ; U5.10 106.883,150.495 ; v1(107.188,125.882) R6.1 107.899,127.127 108.128,127.356 108.128,131.902 98.933,141.097 98.933,148.157 97.536,149.554 95.91,149.554 ; U5.2 106.883,148.971 106.655,149.2 106.655,150.266 106.883,150.495 ; U1.1@67.042,78.805 68.275,77.572 ; U1.1@67.042,78.805 67.042,78.667 67.042,77.789 67.259,77.572 68.275,77.572 ; 68.275,77.572 73.152,77.572 74.016,78.435 74.016,85.344 74.778,86.106 C2.1 ; 74.499,149.554 v1(75.311,148.742) 74.879,148.311 74.879,144.859 74.574,144.554 ; 87.697,153.197 88.697,152.197 90.221,152.197 91.328,153.304 91.328,153.518 90.602,154.244 90.602,155.092 91.034,155.524 94.869,155.524 97.968,158.623 99.949,158.623 ; 99.949,158.623 C16.1 ; C16.1 103.81,158.623 103.81,154.432 104.673,153.568 108.297,153.568 109.066,152.8 109.066,151.587 108.735,151.257 U5.5 U5.4 106.883,150.495
  Bottom Layer w0.2: C4.1 C5.1 C6.1 C7.1 63.602,86.106 ; C8.1 C9.1 C10.1 v1(67.042,80.645) ; U1.1@55.245,120.523 53.924,120.523 53.924,123.85 60.833,130.759 60.833,136.55 61.699,137.416 TF.6 70.866,137.416 ; J2.2 63.805,94.828 63.805,86.309 63.602,86.106 ; v1(59.817,148.996) 75.057,148.996 v1(75.311,148.742) ; v1(67.042,86.106) 63.602,86.106 ; v1(71.504,138.054) 70.866,137.416 ; v1(75.692,144.551) 72.974,141.834 72.974,138.686 71.704,137.416 70.866,137.416 ; v1(75.697,153.914) 76.51,154.727 ; v1(75.697,154.727) 76.51,154.727 ; v1(82.197,158.431) 81.969,158.203 81.969,158.09 81.314,157.435 81.201,157.435 80.459,156.693 78.475,156.693 76.51,154.727 ; v1(83.165,90.658) 81.915,89.408 C1.2 ; C13.1 C15.1 88.011,119.482 88.824,120.294 95.148,120.294 OV7725.20 ; v1(85.014,89.535) v1(83.445,88.138) C1.2 ; v1(87.697,154.727) 76.51,154.727 ; R2.1 v1(90.17,91.592) 90.17,89.581 91.034,88.717 J1.4 93.06,84.785 86.944,84.785 86.462,85.268 84.15,85.268 83.668,84.785 80.975,84.785 80.975,88.138 C1.2 ; TFT_LCD.26 TFT_LCD.27 ; v1(104.318,122.428) OV7725.20 ; v1(107.188,125.882) 100.736,125.882 OV7725.20
DS18B20_DATA: R4.2 U1.2@55.245,121.793 U2.105 | length 51.7
  Top Layer w0.2: U1.2@55.245,121.793 R4.2 ; v1(76.352,140.665) 76.697,141.01 U2.105
  Bottom Layer w0.2: U1.2@55.245,121.793 57.48,121.793 v1(76.352,140.665)
FLASH_CS: FLASH.1 U2.100 | length 40.2
  Top Layer w0.2: FLASH.1 56.007,152.476 55.397,153.086 55.397,158.902 55.931,159.436 57.379,159.436 57.912,158.902 57.912,156.794 v1(59.868,154.838) ; U2.100 v1(79.197,159.791)
  Bottom Layer w0.2: v1(59.868,154.838) 68.072,154.838 73.025,159.791 v1(79.197,159.791)
FSMC_A0: U2.10
FSMC_A1: U2.11
FSMC_A2: U2.12
FSMC_A3: U2.13
FSMC_A4: U2.14
FSMC_A5: U2.15
FSMC_A6: U2.50
FSMC_A7: U2.53
FSMC_A8: U2.54
FSMC_A9: U2.55
FSMC_A10: TFT_LCD.2 U2.56 | length 71.7
  Top Layer w0.2: v1(93.015,147.066) 93.027,147.054 U2.56
  Bottom Layer w0.2: TFT_LCD.2 62.304,173.027 62.304,170.576 56.947,165.218 56.947,152.578 54.432,150.063 54.432,147.955 54.889,147.498 63.348,147.498 64.44,148.59 74.274,148.59 75.892,146.972 80.983,146.972 81.464,146.49 92.439,146.49 v1(93.015,147.066)
FSMC_A11: U2.57
FSMC_A12: U2.87
FSMC_A13: U2.88
FSMC_A14: U2.89
FSMC_A15: U2.90
FSMC_A16: U2.80
FSMC_A17: U2.81
FSMC_A18: U2.82
FSMC_CLK: TFT_LCD.5 U2.117 | length 25
  Top Layer w0.2: TFT_LCD.5 69.901,167.97 69.901,151.867 70.714,151.054 U2.117
FSMC_D0: TFT_LCD.6 U2.85 | length 35.7
  Top Layer w0.2: TFT_LCD.6 67.361,175.184 74.549,175.184 74.981,174.752 74.981,173.939 75.87,173.05 82.169,173.05 82.601,172.618 82.601,162.789 86.697,158.692 U2.85
FSMC_D1: TFT_LCD.7 U2.86 | length 30.3
  Top Layer w0.2: TFT_LCD.7 70.307,173.05 72.713,173.05 73.12,172.644 80.061,172.644 80.264,172.441 80.264,164.246 86.197,158.313 U2.86
FSMC_D2: TFT_LCD.8 U2.114 | length 32.2
  Top Layer w0.2: TFT_LCD.8 67.767,173.05 67.767,170.891 68.275,170.383 69.494,170.383 70.104,170.993 70.104,172.034 70.714,172.644 72.187,172.644 72.695,172.136 72.695,159.055 74.727,157.023 74.727,152.806 74.474,152.554 U2.114
FSMC_D3: TFT_LCD.9 U2.115 | length 21.2
  Top Layer w0.2: TFT_LCD.9 71.374,152.613 71.933,152.054 U2.115
FSMC_D4: TFT_LCD.10 U2.58 | length 69.3
  Top Layer w0.2: v1(91.872,147.447) 92.203,147.778 93.079,147.778 93.355,148.054 U2.58
  Bottom Layer w0.2: TFT_LCD.10 70.104,172.847 70.104,170.942 69.088,169.926 64.033,169.926 57.893,163.786 57.893,152.317 60.757,149.454 79.934,149.454 81.94,147.447 v1(91.872,147.447)
FSMC_D5: TFT_LCD.11 U2.59 | length 75.7
  Top Layer w0.2: U2.59 95.91,148.554 96.368,148.097 v1(96.368,146.38)
  Bottom Layer w0.2: TFT_LCD.11 73.914,162.56 73.025,161.671 60.147,161.671 58.793,160.317 58.793,154.313 62.179,150.927 86.76,150.927 88.373,149.314 93.434,149.314 v1(96.368,146.38)
FSMC_D6: TFT_LCD.12 U2.60 | length 69
  Top Layer w0.2: v1(92.71,148.615) 93.149,149.054 U2.60
  Bottom Layer w0.2: TFT_LCD.12 72.644,172.847 72.644,169.875 64.872,162.103 59.334,162.103 58.293,161.062 58.293,153.06 61.493,149.86 87.02,149.86 88.265,148.615 v1(92.71,148.615)
FSMC_D7: TFT_LCD.13 U2.63 | length 35.5
  Top Layer w0.2: U2.63 96.055,150.554 v1(96.063,150.546)
  Bottom Layer w0.2: TFT_LCD.13 84.125,163.906 92.304,163.906 94.615,161.595 94.615,151.994 v1(96.063,150.546)
FSMC_D8: TFT_LCD.14 U2.64 | length 44.7
  Top Layer w0.2: v1(93.015,151.054) U2.64
  Bottom Layer w0.2: TFT_LCD.14 75.004,172.667 75.004,168.328 81.273,162.059 91.077,162.059 93.258,159.878 93.258,155.433 91.772,153.947 89.814,153.947 89.141,153.274 89.141,151.994 90.081,151.054 v1(93.015,151.054)
FSMC_D9: TFT_LCD.15 U2.65 | length 34.6
  Top Layer w0.2: U2.65 96.528,151.554 v1(96.585,151.611)
  Bottom Layer w0.2: TFT_LCD.15 80.013,170.558 80.013,170.056 81.747,168.321 90.41,168.321 95.148,163.583 95.148,152.641 96.178,151.611 v1(96.585,151.611)
FSMC_D10: TFT_LCD.16 U2.66 | length 90.8
  Top Layer w0.2: TFT_LCD.16 80.061,175.184 84.531,175.184 85.344,174.371 85.344,173.66 86.157,172.847 89.408,172.847 90.627,171.628 90.627,170.917 91.034,170.51 92.151,170.51 93.142,171.501 93.142,172.314 93.472,172.644 97.993,172.644 98.4,173.05 104.724,173.05 105.613,172.161 105.613,157.785 105.867,157.531 108.864,157.531 109.474,156.921 109.474,141.889 108.758,141.173 99.924,141.173 99.339,141.757 99.339,151.271 98.349,152.261 96.012,152.261 95.805,152.054 U2.66
FSMC_D11: TFT_LCD.17 U2.67 | length 50.7
  Top Layer w0.2: U2.67 95.706,152.554 96.111,152.959 v1(96.444,152.959)
  Bottom Layer w0.2: TFT_LCD.17 82.804,172.847 86.97,172.847 87.884,173.761 87.884,174.549 88.519,175.184 102.489,175.184 103.734,173.939 103.734,162.992 96.444,155.702 v1(96.444,152.959)
FSMC_D12: TFT_LCD.18 U2.68 | length 42.4
  Top Layer w0.2: v1(92.812,153.619) 93.377,153.054 U2.68
  Bottom Layer w0.2: TFT_LCD.18 80.061,172.644 75.997,172.644 75.404,172.051 75.404,168.605 80.687,163.322 92.126,163.322 94.132,161.315 94.132,154.94 v1(92.812,153.619)
FSMC_D13: TFT_LCD.19 U2.77 | length 17.7
  Top Layer w0.2: TFT_LCD.19 84.074,164.236 89.027,159.283 89.569,159.283 90.697,158.155 U2.77
FSMC_D14: TFT_LCD.20 U2.78 | length 21.2
  Top Layer w0.2: TFT_LCD.20 83.007,173.05 83.007,164.338 88.633,158.712 89.575,158.712 90.197,158.09 U2.78
FSMC_D15: TFT_LCD.21 U2.79 | length 54.6
  Top Layer w0.2: U2.79 89.697,153.283 v1(90.022,152.959)
  Bottom Layer w0.2: TFT_LCD.21 88.559,169.632 90.627,169.632 91.123,170.127 95.123,170.127 95.684,170.688 95.684,171.994 96.317,172.627 99.991,172.627 100.381,172.237 100.381,165.659 95.656,160.934 95.656,152.806 96.164,152.298 96.979,152.298 97.283,151.994 97.283,150.42 96.667,149.804 95.509,149.804 92.354,152.959 v1(90.022,152.959)
FSMC_NBL0: U2.141
FSMC_NBL1: U2.142
FSMC_NCE4: U2.125
FSMC_NE4: TFT_LCD.1 U2.127 | length 47.1
  Top Layer w0.2: v1(70.866,146.558) 71.37,146.054 U2.127
  Bottom Layer w0.2: TFT_LCD.1 53.975,164.338 53.975,147.493 54.91,146.558 v1(70.866,146.558)
FSMC_NOE: TFT_LCD.4 U2.118 | length 31.7
  Top Layer w0.2: TFT_LCD.4 64.821,173.05 64.821,152.019 66.286,150.554 U2.118
FSMC_NWE: TFT_LCD.3 U2.119 | length 30.5
  Top Layer w0.2: TFT_LCD.3 63.754,151.181 64.881,150.054 U2.119
GPIO_OUT_0: U2.109
GPIO_OUT_1: U2.110
GPIO_OUT_2: U2.140
GPIO_OUT_3: U2.113
GPIO_OUT_4: U2.116
GPIO_OUT_5: U2.122
GPIO_OUT_6: U2.123
GPIO_OUT_7: U2.124
GPIO_OUT_8: U2.126
GPIO_OUT_9: U2.128
GPIO_OUT_10: U2.129
IIC1_SCL: U2.136
IIC1_SDA: U2.137
IIC2_SCL: R13.2 U2.69 U5.14 | length 24
  Top Layer w0.2: U2.69 95.819,153.554 95.876,153.61 v1(97.095,153.61) ; U5.14 106.377,146.785 v1(106.782,146.38) ; v1(106.553,154.254) R13.2
  Bottom Layer w0.2: v1(97.095,153.61) 97.739,154.254 v1(106.553,154.254) 106.553,146.609 v1(106.782,146.38)
IIC2_SDA: R14.2 U2.70 U5.13 | length 27.9
  Top Layer w0.2: U2.70 95.99,154.054 96.215,154.28 98.349,154.28 99.746,152.883 99.746,143.053 100.559,142.24 R14.2 104.902,144.145 v1(105.715,144.958) ; U5.13 105.08,148.209 105.08,146.939 v1(105.715,146.304)
  Bottom Layer w0.2: v1(105.715,144.958) v1(105.715,146.304)
LCD_BK: Q1.2 TFT_LCD.23 | length 58.6
  Top Layer w0.2: Q1.2 61.5,158.579 v1(61.9,158.979) ; TFT_LCD.23 89.154,161.214 v1(89.687,160.68)
  Bottom Layer w0.2: v1(61.9,158.979) 63.729,160.807 77.419,160.807 77.79,161.178 89.19,161.178 v1(89.687,160.68)
LCD_LED: Q1.1 U2.139 | length 21
  Top Layer w0.2: Q1.1 v1(62.459,138.623) ; v1(70.46,140.054) U2.139
  Bottom Layer w0.2: v1(62.459,138.623) 62.459,143.205 64.084,144.831 69.037,144.831 70.383,143.485 70.383,140.13 v1(70.46,140.054)
NetC1_1: C1.1 CH340.4 | length 7.5
  Top Layer w0.2: CH340.4 v1(87.884,85.725)
  Bottom Layer w0.2: C1.1 87.757,85.852 v1(87.884,85.725)
NetC16_2: C16.2 R15.1 U5.1 U5.6 U5.7 U5.12 | length 34.8
  Top Layer w0.2: C16.2 102.87,153.619 103.873,152.616 ; U5.12 104.038,148.971 103.734,149.276 ; R15.1 106.782,142.24 106.375,142.646 106.375,145.313 106.07,145.618 ; U5.1 107.036,148.209 107.036,147.426 107.432,147.03 107.432,145.898 107.152,145.618 106.07,145.618 ; U5.6 106.729,152.019 U5.7 106.358,152.578 103.911,152.578 ; 103.454,152.197 103.734,152.476 ; 103.454,152.197 103.734,149.276 ; 103.454,152.197 103.454,149.555 103.734,149.276 ; 103.734,149.276 103.734,152.476 ; 103.734,149.276 103.734,146.304 104.419,145.618 106.07,145.618 ; 103.734,152.476 103.835,152.578 ; 103.734,152.476 103.734,152.578 103.835,152.578 ; 103.835,152.578 103.911,152.578 ; 103.835,152.578 103.873,152.616 ; 103.873,152.616 103.911,152.578
NetCH340_5: CH340.5 J1.3 | length 18.9
  Top Layer w0.2: v1(85.014,84.455) CH340.5
  Bottom Layer w0.2: v1(85.014,84.455) 86.944,82.525 95.021,82.525 95.479,82.982 97.536,82.982 98.095,83.541 98.095,85.114 J1.3
NetCH340_6: CH340.6 J1.2 | length 11
  Top Layer w0.2: CH340.6 v1(87.884,83.185)
  Bottom Layer w0.2: v1(87.884,83.185) 88.916,84.217 J1.2
NetD1_1: D1.1 R3.1 | length 18.5
  Top Layer w0.2: D1.1 84.135,94.92 86.929,97.714 91.491,97.714 91.491,95.91 91.567,95.834 92.659,95.834 94.59,93.904 v1(94.59,92.837)
  Bottom Layer w0.2: R3.1 v1(94.59,92.837)
NetD2_1: D2.1 R5.2 | length 4.2
  Top Layer w0.2: R5.2 90.424,95.987 91.034,95.783 91.846,94.971 91.846,93.98 D2.1
NetJ2_1: J2.1 Q2.2 | length 8.5
  Top Layer w0.2: J2.1 64.008,106.416 64.05,106.458 Q2.2
NetR1_1: R1.1 R3.2 S1.3 | length 12.9
  Bottom Layer w0.2: R1.1 92.837,96.825 93.091,96.571 R3.2 S1.3
NetR6_2: R6.2 U2.48 | length 22.1
  Top Layer w0.2: v1(93.015,143.053) v1(93.015,143.053) U2.48 ; R6.2 v1(107.188,130.658)
  Bottom Layer w0.2: v1(93.015,143.053) 105.41,130.658 v1(107.188,130.658)
NRST: C14.2 K1.3 R8.1 U2.25 | length 46.5
  Top Layer w0.2: U2.25 87.197,133.755 85.468,132.026 85.468,131.128 85.649,130.947 85.649,119.075 86.36,118.364 K1.3 87.782,106.299 89.916,108.433 94.64,108.433 C14.2 97.028,108.458 R8.1
OSC32_IN: C11.2 U2.8 Y1.1 | length 31.9
  Top Layer w0.2: Y1.1 76.835,108.966 76.708,109.093 C11.2 74.778,109.093 74.346,109.525 74.346,114.275 78.029,117.958 78.029,129.692 v1(77.876,129.845) ; v1(78.486,133.985) 78.486,134.051 78.74,134.305 78.697,134.348 U2.8
  Bottom Layer w0.2: v1(77.876,129.845) 78.537,130.505 78.537,133.934 v1(78.486,133.985)
OSC32_OUT: C12.2 U2.9 Y1.2 | length 39.3
  Top Layer w0.2: U2.9 79.197,134.668 79.39,134.475 79.39,133.97 79.197,133.777 79.197,132.563 83.109,128.651 83.109,121.006 74.752,112.649 74.752,110.312 79.654,110.312 79.867,110.1 Y1.2 80.95,108.966 81.077,109.093 C12.2
OSC_IN: C13.2 U2.23 XTAL2.2 | length 36.6
  Top Layer w0.2: U2.23 86.197,137.226 v1(86.208,137.236)
  Bottom Layer w0.2: XTAL2.2 81.402,113.716 81.407,113.721 C13.2 81.407,120.548 80.975,120.98 80.975,127.711 81.136,127.872 84.329,127.872 86.929,130.473 86.929,132.251 84.15,135.031 84.15,138.176 84.557,138.582 85.065,138.582 86.208,137.439 v1(86.208,137.236)
OSC_OUT: C15.2 U2.24 XTAL2.1 | length 46.1
  Top Layer w0.2: v1(84.709,131.191) 84.709,132.451 86.697,134.439 U2.24
  Bottom Layer w0.2: v1(84.709,131.191) 83.185,131.191 80.569,128.575 80.569,121.412 78.588,119.431 78.588,110.922 79.654,109.855 85.12,109.855 86.893,111.629 XTAL2.1 90.302,113.716 90.297,113.721 C15.2
PWM1: U2.98
PWM2: U2.99
SPI1_CSK: U2.41
SPI1_MISO: U2.42
SPI1_MOSI: U2.43
SPI2_MISO: FLASH.2 TFT_LCD.29 U2.75 | length 87.8
  Top Layer w0.2: FLASH.2 57.277,149.123 v1(57.887,148.514) ; U2.75 v1(91.697,169.349)
  Bottom Layer w0.2: v1(57.887,148.514) 57.48,148.92 57.48,164.702 62.704,169.926 62.704,172.618 64.211,172.847 64.872,173.507 64.872,174.752 65.405,175.285 82.093,175.285 82.584,174.794 82.584,173.533 82.118,173.067 81.237,173.067 80.484,172.314 80.484,170.527 81.784,169.227 v1@91.697,169.227 ; v1(91.697,169.349) v1@91.697,169.227 ; TFT_LCD.29 96.084,170.887 96.084,169.727 95.584,169.227 v1@91.697,169.227
SPI2_MOSI: FLASH.5 TFT_LCD.30 U2.76 | length 58.6
  Top Layer w0.2: v1(59.817,156.337) FLASH.5 ; v1(88.798,160.528) 89.398,159.928 89.765,159.928 91.197,158.496 ; v1(89.967,170.282) 90.678,169.57 90.678,160.604 91.197,160.085 91.197,158.496 ; U2.76 91.197,158.496
  Bottom Layer w0.2: v1(59.817,156.337) 68.675,156.337 72.695,160.357 78.594,160.357 78.765,160.528 v1(88.798,160.528) ; v1(89.967,170.282) 90.212,170.527 94.717,170.527 95.284,171.094 95.284,172.627 TFT_LCD.30
SPI2_SCK: FLASH.6 TFT_LCD.34 U2.74 | length 62.9
  Top Layer w0.2: FLASH.6 58.547,158.902 58.953,159.309 v1(59.538,159.309) ; U2.74 92.197,158.745 ; v1(92.608,159.156) 92.197,158.745 ; v1(99.263,163.017) 94.844,163.017 92.197,160.371 92.197,158.745
  Bottom Layer w0.2: v1(59.538,159.309) 61.493,161.265 76.479,161.265 76.81,161.595 90.17,161.595 v1(92.608,159.156) ; v1(99.263,163.017) 103.327,167.081 103.327,172.644 TFT_LCD.34
TF_CS: TF.2 U2.132 | length 11.4
  Top Layer w0.2: v1(64.821,143.404) 71.37,143.404 71.52,143.554 U2.132
  Bottom Layer w0.2: v1(64.821,143.404) 64.821,142.24 65.245,141.816 TF.2
TF_MISO: TF.7 U2.134 | length 12.6
  Top Layer w0.2: v1(68.097,136.316) 68.961,137.18 68.961,142.316 69.199,142.554 U2.134
  Bottom Layer w0.2: TF.7 v1(68.097,136.316)
TF_MOSI: TF.3 U2.135 | length 7.6
  Top Layer w0.2: v1(69.723,141.241) 70.536,142.054 U2.135
  Bottom Layer w0.2: TF.3 69.198,140.716 v1(69.723,141.241)
TF_SCK: TF.5 U2.133 | length 11.1
  Top Layer w0.2: v1(68.26,138.516) 68.26,142.24 69.024,143.004 71.855,143.004 71.905,143.054 U2.133
  Bottom Layer w0.2: TF.5 v1(68.26,138.516)
TOUCH_CS: TFT_LCD.33 U2.73 | length 21.5
  Top Layer w0.2: U2.73 92.697,157.04 95.753,160.096 101.016,160.096 101.854,160.934 TFT_LCD.33
USART1_RXD: CH340.2 U2.102 | length 80.3
  Top Layer w0.2: v1(78.029,139.939) 78.029,155.397 78.197,155.565 U2.102 ; CH340.2 v1(87.884,88.265)
  Bottom Layer w0.2: v1(78.029,139.939) 76.312,139.939 71.882,135.509 71.882,104.267 v1(87.884,88.265)
USART1_TXD: CH340.3 U2.101 | length 104.8
  Top Layer w0.2: v1(78.697,152.908) U2.101 ; CH340.3 v1(89.23,86.995)
  Bottom Layer w0.2: v1(78.697,152.908) 86.36,152.908 88.875,150.393 94.082,150.393 95.275,149.2 100.508,149.2 108.255,141.453 108.255,118.212 91.694,101.651 91.694,93.98 91.618,93.904 89.23,93.904 v1(89.23,86.995)
USART2_RXD: U2.37
USART2_TXD: U2.36
USART3_RXD: U2.112
USART3_TXD: U2.111
USBDM: U2.103
USBDP: U2.104
VCC: CH340.16 J1.1 Q2.3 U1.3@71.642,78.667 U2.3@71.642,88.319 | length 61.9
  Top Layer w0.5: Q2.3 70.76,104.108 71.642,103.226 71.642,91.034 ; U1.3@71.642,78.667 71.642,88.319 71.642,91.034 ; J1.1 95.555,83.154 95.555,88.595 94.615,89.535 CH340.16 89.078,89.535 87.427,91.186 85.369,91.186 83.744,89.56 82.906,89.56 80.416,92.05 72.658,92.05 71.642,91.034
XI: C2.2 CH340.7 XTAL1.2 | length 16.8
  Top Layer w0.2: C2.2 78.334,88.392 78.339,88.397 XTAL1.2 81.636,88.397 82.221,88.983 83.788,88.983 84.125,88.646 84.125,82.906 85.115,81.915 CH340.7
XO: C3.2 CH340.8 XTAL1.1 | length 10.7
  Top Layer w0.2: C3.2 78.364,79.497 XTAL1.1 81.67,80.645 CH340.8
pads on no net: CH340.9 CH340.10 CH340.11 CH340.12 CH340.13 CH340.14 CH340.15 J1.5 J1.6 K1.2 K1.4 OV7725.10 OV7725.18 S1.1 S1.4 S1.5 S1.6 TF.1 TF.8 TF.9 TF.10 TF.11 TF.12 TF.13 TFT_LCD.22 TFT_LCD.28 TFT_LCD.31 TFT_LCD.32 U2.7 U2.106 U5.3 U5.8 U5.9 U5.11 Y1.3
copper on no net:
  other v2: 55.54,135.786 55.54,143.766

## Polygon pours and split planes (outlines as drawn)
DGND on Bottom Layer "Bottom Layer-No Net" (solid, pour order 4): 51.1,175.9 110.5,175.9 110.5,76.5 51.181,76.5 51.1,76.581
3.3V on Top Layer "Bottom Layer-No Net" (solid, pour order 6): 51.435,175.514 110.236,175.514 110.236,76.835 51.435,76.835

## Keep-outs
Keep-Out Layer:
  lines w0.3: 51.1,76.5 110.5,76.5 110.5,175.9 51.1,175.9 51.1,76.5

## Silkscreen, mask and mechanical layers (free items; w line width, h text height)
Top Overlay:
  text "设计人：朱彦臻" at 64.262,128.651 h5.52
  text "Si-β测试板" at 64.389,114.427 h5.52
  text "主功能： / 128MB-FLASH / TF卡 / TFT-LCD液晶屏 / OV7725摄像头" at 51.943,80.137 h2.02
Bottom Overlay:
  drawing of 1005 lines, arcs and shapes, not listed
  text "Filter" at 56.261,90.932 h2.52
Drill Drawing:
  text ".LEGEND" at 115.88,81.28 h1.52
  text "Drill Drawing." at 115.88,78.74 h1.52

## Dimensions
51.1,76.5 to 110.5,76.5 on Mechanical 1
51.1,76.5 to 51.1,175.9 on Mechanical 1

## Text inside footprints (layer, text, board x,y; h text height)
OV7725: Bottom Overlay "2" at 71.882,122.936 h1.27 r180; Bottom Overlay "1" at 71.882,125.476 h1.27 r180; Bottom Overlay "19" at 98.806,125.476 h1.27 r180; Bottom Overlay "20" at 98.806,122.936 h1.27 r180
TFT_LCD: Top Overlay "34" at 103.378,173.609 h1.27; Top Overlay "33" at 103.378,171.069 h1.27; Top Overlay "1" at 58.166,171.069 h1.27; Top Overlay "2" at 58.166,173.609 h1.27